# KiCad board SSRU_v3.3.kicad_pcb (continued)
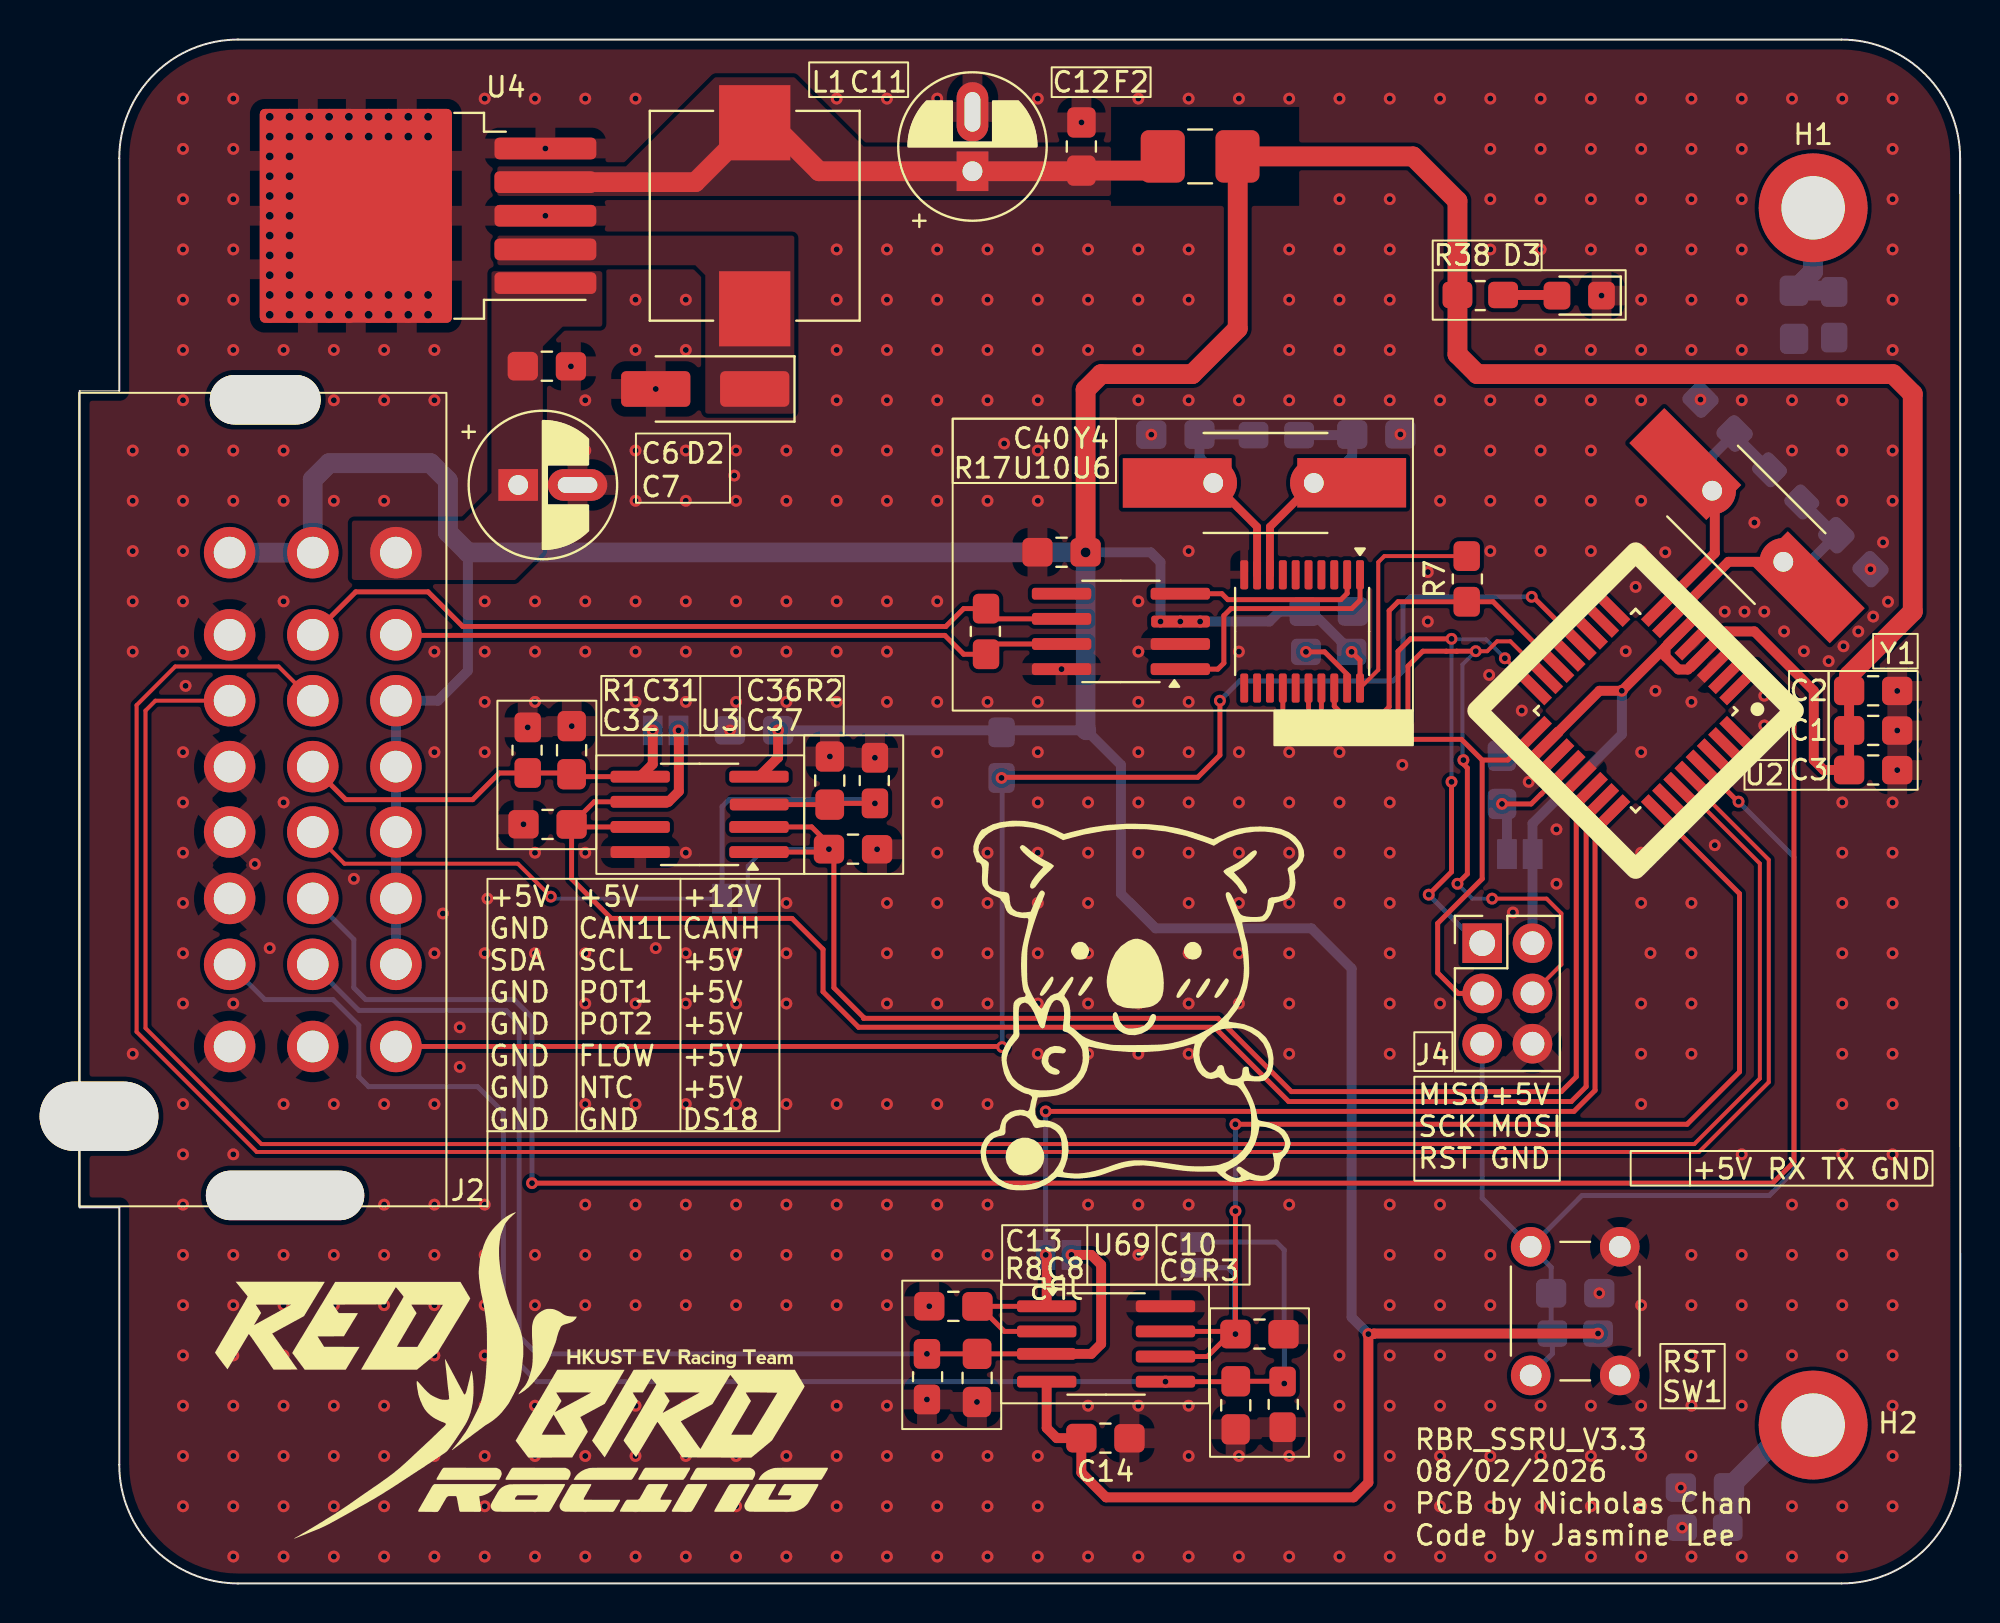
[diagram p0: board, top side]
## Library data of the parts
C1-C4 C6-C14 C23 C31 C32 C36 C37 C39 C40 = -: Description: Unpolarized capacitor; ki_fp_filters: C_*
C5 C17 C18 C24 C26 C27 C29 = -: ki_fp_filters: C_*
D2 = -: Description: Zener diode; ki_fp_filters: TO-???* *_Diode_* *SingleDiode* D_*
D3 = -: Description: Light emitting diode; ki_fp_filters: LED* LED_SMD:* LED_THT:*
F2 = -: ki_fp_filters: *Fuse*
H1 H2 = -: Description: Mounting Hole with connection; ki_fp_filters: MountingHole*Pad*
J2 = -: Description: Generic connector, single row, 01x24, script generated (kicad-library-utils/schlib/autogen/connector/); ki_fp_filters: Connector*:*_1x??_*
J4 = -: Description: Atmel 6-pin ISP connector; ki_fp_filters: IDC?Header*2x03* Pin?Header*2x03*
JP1-JP5 = -: Description: Jumper, 2-pole, open; ki_fp_filters: Jumper* TestPoint*2Pads* TestPoint*Bridge*
L1 = -: Description: Inductor; ki_fp_filters: Choke_* *Coil* Inductor_* L_*
R1-R3 R8 R16 R17 R38 R40 = -: Description: Resistor; ki_fp_filters: R_*
R4 R5 R7 R9 R10 R15 = -: ki_fp_filters: R_*
U2 = -: Datasheet: http://ww1.microchip.com/downloads/en/DeviceDoc/ATmega328_P%20AVR%20MCU%20with%20picoPower%20Technology%20Data%20Sheet%2040001984A.pdf; Description: 20MHz, 32kB Flash, 2kB SRAM, 1kB EEPROM, TQFP-32; ki_fp_filters: TQFP*7x7mm*P0.8mm*
U3 U69 = -: Datasheet: http://www.ti.com/lit/ds/symlink/lm358.pdf; Description: Dual Operational Amplifiers, DIP-8/SOIC-8/TSSOP-8/VSSOP-8; ki_fp_filters: SOIC*3.9x4.9mm*P1.27mm* DIP*W7.62mm* TO*99* OnSemi*Micro8* TSSOP*3x3mm*P0.65mm* TSSOP*4.4x3mm*P0.65mm* MSOP*3x3mm*P0.65mm* SSOP*3.9x4.9mm*P0.635mm* LFCSP*2x2mm*P0.5mm* *SIP* SOIC*5.3x6.2mm*P1.27mm*
U4 = -: Datasheet: http://www.ti.com/lit/ds/symlink/lm2576.pdf; Description: 5V, 3A SIMPLE SWITCHER® Step-Down Voltage Regulator, TO-263; ki_fp_filters: TO?263*
U6 = -: Datasheet: http://ww1.microchip.com/downloads/en/DeviceDoc/21801e.pdf; Description: Stand-Alone CAN Controller with SPI Interface, TSSOP-20; ki_fp_filters: TSSOP*4.4x6.5mm*P0.65mm*
U10 = -: Datasheet: http://www.nxp.com/docs/en/data-sheet/TJA1051.pdf; Description: High-Speed CAN Transceiver, silent mode, SOIC-8; ki_fp_filters: SOIC*3.9x4.9mm*P1.27mm*
Y1 Y4 = -: Description: Two pin crystal; ki_fp_filters: Crystal*

## Footprints (pads in the part's own frame, mm; a bottom-side part is the same pattern mirrored in y, then rotated)
C_0805_2012Metric_Pad1.18x1.45mm_HandSolder_L
  rrect 1.531x1.436 smd: 1(-1.216,0.007)
  rrect 1.531x1.45 smd: 2(1.216,0)
CP_Radial_D6.3mm_P2.50mm_handsolder
  rect 2x1.6 hole 1: 1(0,0)
  oval 3x1.6 hole 2x0.8: 2(3,0)
Crystal_HC49-U_Vertical_W_SMD
  round 2.4 hole 1: 1(0,0) 2(5.08,0)
  rect 5.5x2.5 smd: 1(0,0) 2(4.9,0)
D_SMA_Handsoldering
  rrect 3.5x1.8 smd: 1(-2.5,0) 2(2.5,0)
Fuse_1210_3225Metric_Pad1.42x2.65mm_HandSolder
  rrect 2.225x2.65 smd: 1(-1.887,0) 2(1.887,0)
HD241_24pin
  oval 2.5x5.6 hole 2.5x5.6 unplated: (-20.2,-6.6)
  oval 3.5x6 hole 3.5x6 unplated: (16,-15)
  oval 2.5x8 hole 2.5x8 unplated: (20,-5.6)
  round 2.6 hole 1.6: 1(-12.475,0) 2(-8.325,0) 3(-4.995,0) 4(-1.665,0) 5(1.64,0) 6(4.995,0) 7(8.325,0) 8(12.475,0) 9(-12.475,-4.2) 10(-8.325,-4.2) 11(-4.995,-4.2) 12(-1.665,-4.2) 13(1.64,-4.2) 14(4.995,-4.2) 15(8.325,-4.2) 16(12.475,-4.2) 17(-12.475,-8.4) 18(-8.325,-8.4) 19(-4.995,-8.4) 20(-1.665,-8.4) 21(1.64,-8.4) 22(4.995,-8.4) 23(8.325,-8.4) 24(12.475,-8.4)
L_10.4x10.4_H4.8
  rect 3.8x3.6 smd: 1(-4.7,0) 2(4.7,0)
LED_0805_2012Metric_Pad1.45x1.40mm_HandSolder
  rrect 1.35x1.4 smd: 1(-1.125,0) 2(1.125,0)
MountingHole_3.2mm_M3_ISO14580_Pad
  round 5.5 hole 3.2: 1(0,0)
PinHeader_2x03_P2.54mm_Vertical
  rect 2x2 hole 1.3: 1(0,0)
  round 2 hole 1.2: 2(2.54,0) 3(0,-2.54) 4(2.54,-2.54) 5(0,-5.08) 6(2.54,-5.08)
R_0805_2012Metric_Pad1.20x1.40mm_HandSolder_L
  rrect 1.505x1.335 smd: 1(-1.153,0.033) 2(1.153,0.033)
SOIC-8_3.9x4.9mm_P1.27mm_RMC_Handsolder
  rrect 3x0.6 smd: 1(-3,1.905) 2(-3,0.635) 4(-3,-1.905) 5(3,-1.905) 6(3,-0.635) 7(3,0.635) 8(3,1.905)
  rrect 2.975x0.6 smd: 3(-3.013,-0.5)
SolderJumper-2_P1.3mm_Open_Pad1.0x1.5mm
  rect 1x1.5 smd: 1(-0.65,0) 2(0.65,0)
SW_PUSH_6mm_H5mm
  round 2 hole 1.1: 1(0,0) 1(6.5,0) 2(0,-4.5) 2(6.5,-4.5)
TO-263-5_TabPin3_Handsolder
  rrect 5.15x1.1 smd: 1(-7.925,3.4) 2(-7.925,1.7) 3(-7.925,0) 4(-7.925,-1.7) 5(-7.925,-3.4)
  rrect 4.55x5.25 smd: 3(-0.925,2.775) 3(-0.925,-2.775)
  rrect 9.7x10.8 smd: 3(1.65,0)
  rrect 4.85x5.4 smd: 3(4.075,2.7)
  rrect 4.85x5.25 smd: 3(4.075,-2.775)
TQFP-32_7x7mm_P0.8mm_L
  rect 2x0.55 smd: 1(-4.45,2.8) 2(-4.45,2) 3(-4.45,1.2) 4(-4.45,0.4) 5(-4.45,-0.4) 6(-4.45,-1.2) 7(-4.45,-2) 8(-4.45,-2.8) 17(4.45,-2.8) 18(4.45,-2) 19(4.45,-1.2) 21(4.45,0.4) 22(4.45,1.2) 23(4.45,2) 24(4.45,2.8)
  rect 0.55x2 smd: 9(-2.8,-4.45) 12(-0.4,-4.45) 13(0.4,-4.45) 14(1.2,-4.45) 15(2,-4.45) 16(2.8,-4.45) 25(2.8,4.45) 26(2,4.45) 27(1.2,4.45) 28(0.4,4.45) 29(-0.4,4.45) 30(-1.2,4.45) 31(-2,4.45) 32(-2.8,4.45)
  rect 0.525x2 smd: 10(-2.013,-4.45)
  rect 0.575x2 smd: 11(-1.188,-4.45)
  rect 2x0.525 smd: 20(4.45,-0.388)
TSSOP-20_4.4x6.5mm_P0.65mm
  rrect 1.475x0.4 smd: 1(-2.862,2.925) 2(-2.862,2.275) 3(-2.862,1.625) 4(-2.862,0.975) 5(-2.862,0.325) 6(-2.862,-0.325) 7(-2.862,-0.975) 8(-2.862,-1.625) 9(-2.862,-2.275) 10(-2.862,-2.925) 11(2.862,-2.925) 12(2.862,-2.275) 13(2.862,-1.625) 14(2.862,-0.975) 15(2.862,-0.325) 16(2.862,0.325) 17(2.862,0.975) 18(2.862,1.625) 19(2.862,2.275) 20(2.862,2.925)

## Nets
+5V: C1.2 C2.2 C3.2 C14.2 C23.2 C39.2 C40.1 F2.2 J2.3 J2.4 J2.5 J2.6 J2.7 J2.9 J2.17 J4.2 JP1.1 R5.2 R7.2 R16.2 R38.1 R40.1 U2.4 U2.6 U2.18 U3.4 U6.20 U10.3 U69.4
+12V: C6.2 C7.1 J2.1 U4.1
GND: C1.1 C2.1 C3.1 C4.1 C5.1 C6.1 C7.2 C8.1 C9.1 C10.1 C11.2 C12.1 C13.1 C14.1 C17.1 C18.1 C23.1 C24.1 C26.1 C27.1 C29.1 C31.1 C32.1 C36.1 C37.1 C39.1 C40.2 D2.2 D3.1 J2.16 J2.18 J2.20 J2.21 J2.22 J2.24 J4.6 R1.1 R2.1 R3.1 R8.1 R9.1 R10.1 SW1.1 U2.3 U2.5 U2.21 U3.8 U4.3 U4.5 U6.10 U10.2 U10.8 U69.8
GND1: C29.2 H1.1 R10.2
GND2: C24.2 H2.1 R9.2
328+: U2.30
328-: U2.31
CAN1+: J2.2 R17.2 U10.7
CAN1-: J2.10 R17.1 U10.6
CS_CAN1: R7.1 U2.14 U6.18
DICK_IN: C9.2 J2.23 JP4.1 R3.2 U69.5
DICK_OUT: C10.2 JP4.2 U2.25 U69.6 U69.7
DS18B20: J2.8 R40.2 U2.12
FLOW_IN: J2.14 U2.2
I2C+: J2.11 U2.28
I2C-: J2.19 U2.27
MISO: J4.1 U2.16 U6.17
MOSI: J4.4 U2.15 U6.16
POT1_IN: C31.2 J2.12 JP2.1 R1.2 U3.5
POT1_OUT: C32.2 JP2.2 U2.23 U3.6 U3.7
POT2_IN: C36.2 J2.13 JP3.1 R2.2 U3.3
POT2_OUT: C37.2 JP3.2 U2.22 U3.1 U3.2
PUMP_NTC_50k_IN: C8.2 J2.15 JP5.1 R8.2 U69.3
PUMP_NTC_50k_OUT: C13.2 JP5.2 U2.24 U69.1 U69.2
RST: C18.2 J4.5 R5.1 SW1.2 U2.29
SCK: J4.3 U2.17 U6.14
XTAL1: C5.2 R4.2 U2.7 Y1.2
XTAL2: C17.2 R4.1 U2.8 Y1.1
Net-(D2-K): D2.1 L1.1 U4.2
Net-(D3-A): D3.2 R38.2
Net-(JP1-B): C4.2 JP1.2 U2.20
Net-(U4-FB): C11.1 C12.2 F2.1 L1.2 U4.4
Net-(U6-OSC1): C27.2 R15.1 U6.9 Y4.2
Net-(U6-OSC2): C26.2 R15.2 U6.8 Y4.1
Net-(U6-~{RESET}): R16.1 U6.19
Net-(U10-RXD): U6.2 U10.4
Net-(U10-TXD): U6.1 U10.1

Pads without a net: U2 1 9 10 11 13 19 26 32; U6 3 4 5 6 7 11 12 13 15; U10 5

## Via types
v1: diameter 0.6, hole 0.3, Top to Bottom, 670 vias
v2: diameter 1, hole 0.5, Top to Bottom, 1 via
v3: diameter 0.8, hole 0.4, Top to Bottom, 50 vias

## Routing (per net, layer and track width the routed paths; a pad name or vN(x,y) marks a point on that pad's centre or on a via; arc(x,y) is an arc through that point)
+5V: length 344.7
  Top w0.2: U6.20 65.6,46.16 65.6,51.6 65.91,51.9 R7.2
  Top w0.25: U6.20 64.68,46.64 v1(64.25,47.07) ; v1(65.1,12.6) 65.13,12.63
  Top w0.5: U69.4 48.85,7.85 49.36,7.34 C14.2 50.6,5.6 51.85,4.35 64.35,4.35 65.1,5.1 v1(65.1,12.6) 65.35,12.6 65.38,12.63 v1(76.7,12.63) ; U3.4 35.28,41.73 v1(35.28,43.1) ; U2.18 76.77,45.1 v1(77.9,45.1) U2.6 80.11,47.31 80.11,46.83 80.76,46.17 81.24,46.17 U2.4 83.17,48.1 84.6,48.1 87.6,45.1 87.6,41.6 88.1,41.1 C3.2 C1.2 C2.2
  Top w1: C2.2 89.38,45.88 92.6,49.1 92.6,60.1 91.6,61.1 70.6,61.1 69.6,62.1 69.6,69.85 67.35,72.1 F2.2 58.49,70.99 58.5,70.97 58.5,63.4 56.2,61.1 51.6,61.1 50.82,60.31 v2(50.82,52.09)
  Bottom w0.5: 19.61,52.09 19.61,46.1 18.1,44.6 J2.3 J2.7 ; v2(50.82,52.09) 54.11,52.09 54.6,51.6 v1(54.6,48.6) v1(55.6,48.6) v1(56.6,48.6) 60.1,48.6 60.6,49.1 C39.2 62.22,49.1 v1(64.25,47.07) ; J4.2 73.39,38.39 77.9,42.9 v1(77.9,45.1) ; v1(35.28,43.1) 50.85,43.1 52.6,41.35 52.6,34.85 54.35,33.1 62.22,33.1 64.25,31.07 64.25,13.45 v1(65.1,12.6)
  Bottom w1: 50.85,43.1 50.82,43.14 v2(50.82,52.09) 19.61,52.09 18.6,53.1 18.6,55.72 17.72,56.6 12.6,56.6 11.77,55.77 J2.9 J2.17
GND: length 0.7
  Top w0.25: 22.35,37.85 22.85,38.35
  vias: v1(2.68,57.24) v1(2.68,54.7) v1(2.68,52.16) v1(2.68,49.62) v1(2.68,47.08) v1(2.68,26.76) v1(5.22,75.02) v1(5.22,72.48) v1(5.22,69.94) v1(5.22,67.4) v1(5.22,64.86) v1(5.22,62.32) v1(5.22,59.78) v1(5.22,57.24) v1(5.22,54.7) v1(5.22,52.16) v1(5.22,49.62) v1(5.22,47.08) v1(5.22,42) v1(5.22,39.46) v1(5.22,36.92) v1(5.22,34.38) v1(5.22,31.84) v1(5.22,29.3) v1(5.22,24.22) v1(5.22,21.68) v1(5.22,19.14) v1(5.22,16.6) v1(5.22,14.06) v1(5.22,11.52) v1(5.22,8.98) v1(5.22,6.44) v1(5.22,3.9) v1(5.35,45.35) v1(7.76,75.02) v1(7.76,72.48) v1(7.76,69.94) v1(7.76,67.4) v1(7.76,64.86) v1(7.76,62.32) v1(7.76,57.24) v1(7.76,54.7) v1(7.76,29.3) v1(7.76,21.68) v1(7.76,16.6) v1(7.76,14.06) v1(7.76,11.52) v1(7.76,8.98) v1(7.76,6.44) v1(7.76,3.9) v1(7.76,1.36) v1(8.85,36.35) v1(9.6,32.1) v1(10.3,62.32) v1(10.3,57.24) v1(10.3,54.7) v1(10.3,49.62) v1(10.3,39.46) v1(10.3,24.22) v1(10.3,16.6) v1(10.3,14.06) v1(10.3,11.52) v1(10.3,8.98) v1(10.3,6.44) v1(10.3,3.9) v1(10.3,1.36) v1(12.84,62.32) v1(12.84,59.78) v1(12.84,54.7) v1(12.84,24.22) v1(12.84,16.6) v1(12.84,14.06) v1(12.84,11.52) v1(12.84,8.98) v1(12.84,6.44) v1(12.84,3.9) v1(12.84,1.36) v1(13.85,35.6) v1(15.38,62.32) v1(15.38,59.78) v1(15.38,54.7) v1(15.38,24.22) v1(15.38,19.14) v1(15.38,16.6) v1(15.38,14.06) v1(15.38,11.52) v1(15.38,8.98) v1(15.38,6.44) v1(15.38,3.9) v1(15.38,1.36) v1(17.92,62.32) v1(17.92,59.78) v1(17.92,47.08) v1(17.92,42) v1(17.92,31.84) v1(17.92,24.22) v1(17.92,19.14) v1(17.92,16.6) v1(17.92,14.06) v1(17.92,11.52) v1(17.92,8.98) v1(17.92,6.44) v1(17.92,3.9) v1(17.92,1.36) v1(18.35,33.85) v1(19.2,28.1) v1(19.2,26.1) v1(20.46,75.02) v1(20.46,49.62) v1(20.46,47.08) v1(20.46,44.54) v1(20.46,42) v1(20.46,31.84) v1(20.46,19.14) v1(20.46,16.6) v1(20.46,14.06) v1(20.46,11.52) v1(20.46,8.98) v1(20.46,6.44) v1(20.46,3.9) v1(20.46,1.36) v1(20.6,34.6) v1(22.42,38.35) v1(22.63,43.25) v1(23,75.02) v1(23,49.62) v1(23,47.08) v1(23,44.54) v1(23,36.92) v1(23,31.84) v1(23,16.6) v1(23,14.06) v1(23,8.98) v1(23,6.44) v1(23,3.9) v1(23,1.36) v1(23.52,72.5) v1(23.52,69.1) v1(24.82,61.49) v1(24.86,43.31) v1(25.54,75.02) v1(25.54,59.78) v1(25.54,57.24) v1(25.54,49.62) v1(25.54,47.08) v1(25.54,36.92) v1(25.54,31.84) v1(25.54,29.3) v1(25.54,24.22) v1(25.54,19.14) v1(25.54,16.6) v1(25.54,14.06) v1(25.54,8.98) v1(25.54,6.44) v1(25.54,3.9) v1(25.54,1.36) v1(28.08,75.02) v1(28.08,64.86) v1(28.08,62.32) v1(28.08,57.24) v1(28.08,54.7) v1(28.08,49.62) v1(28.08,47.08) v1(28.08,44.54) v1(28.08,29.3) v1(28.08,24.22) v1(28.08,19.14) v1(28.08,16.6) v1(28.08,14.06) v1(28.08,8.98) v1(28.08,6.44) v1(28.08,3.9) v1(28.08,1.36) v1(29.1,60.35) v1(29.1,32.1) v1(30.62,64.86) v1(30.62,62.32) v1(30.62,57.24) v1(30.62,54.7) v1(30.62,49.62) v1(30.62,47.08) v1(30.62,44.54) v1(30.62,36.92) v1(30.62,31.84) v1(30.62,29.3) v1(30.62,24.22) v1(30.62,19.14) v1(30.62,16.6) v1(30.62,14.06) v1(30.62,8.98) v1(30.62,6.44) v1(30.62,3.9) v1(30.62,1.36) v1(32.85,43.1) v1(33.07,55.97) v1(33.16,57.24) v1(33.16,54.7) v1(33.16,49.62) v1(33.16,47.08) v1(33.16,44.54) v1(33.16,31.84) v1(33.16,29.3) v1(33.16,24.22) v1(33.16,19.14) v1(33.16,16.6) v1(33.16,14.06) v1(33.16,8.98) v1(33.16,6.44) v1(33.16,3.9) v1(33.16,1.36) v1(35.7,57.24) v1(35.7,54.7) v1(35.7,49.62) v1(35.7,47.08) v1(35.7,44.54) v1(35.7,34.38) v1(35.7,31.84) v1(35.7,29.3) v1(35.7,24.22) v1(35.7,19.14) v1(35.7,16.6) v1(35.7,14.06) v1(35.7,8.98) v1(35.7,6.44) v1(35.7,3.9) v1(35.7,1.36) v1(37.9,41.78) v1(38.24,75.02) v1(38.24,67.4) v1(38.24,64.86) v1(38.24,62.32) v1(38.24,59.78) v1(38.24,57.24) v1(38.24,54.7) v1(38.24,49.62) v1(38.24,47.08) v1(38.24,44.54) v1(38.24,24.22) v1(38.24,19.14) v1(38.24,16.6) v1(38.24,14.06) v1(38.24,8.98) v1(38.24,6.44) v1(38.24,3.9) v1(38.24,1.36) v1(40.17,41.72) v1(40.28,37.09) v1(40.78,75.02) v1(40.78,67.4) v1(40.78,64.86) v1(40.78,62.32) v1(40.78,59.78) v1(40.78,57.24) v1(40.78,54.7) v1(40.78,49.62) v1(40.78,47.08) v1(40.78,44.54) v1(40.78,34.38) v1(40.78,31.84) v1(40.78,29.3) v1(40.78,24.22) v1(40.78,19.14) v1(40.78,16.6) v1(40.78,14.06) v1(40.78,8.98) v1(40.78,6.44) v1(40.78,3.9) v1(40.78,1.36) v1(42.8,9.29) v1(42.92,14) v1(43.32,75.02) v1(43.32,67.4) v1(43.32,64.86) v1(43.32,62.32) v1(43.32,59.78) v1(43.32,57.24) v1(43.32,54.7) v1(43.32,49.62) v1(43.32,44.54) v1(43.32,42) v1(43.32,39.46) v1(43.32,36.92) v1(43.32,34.38) v1(43.32,31.84) v1(43.32,29.3) v1(43.32,24.22) v1(43.32,19.14) v1(43.32,16.6) v1(43.32,6.44) v1(43.32,3.9) v1(43.32,1.36) v1(45.33,9.17) v1(45.86,67.4) v1(45.86,64.86) v1(45.86,62.32) v1(45.86,59.78) v1(45.86,54.7) v1(45.86,44.54) v1(45.86,36.92) v1(45.86,34.38) v1(45.86,31.84) v1(45.86,29.3) v1(45.86,24.22) v1(45.86,19.14) v1(45.86,16.6) v1(45.86,6.44) v1(45.86,3.9) v1(45.86,1.36) v1(46.7,57.59) v1(48.4,75.02) v1(48.4,67.4) v1(48.4,64.86) v1(48.4,62.32) v1(48.4,59.78) v1(48.4,57.24) v1(48.4,54.7) v1(48.4,44.54) v1(48.4,42) v1(48.4,39.46) v1(48.4,36.92) v1(48.4,34.38) v1(48.4,31.84) v1(48.4,29.3) v1(48.4,26.76) v1(48.4,6.44) v1(48.4,3.9) v1(48.4,1.36) v1(49.6,46.19) v1(50.61,73.81) v1(50.94,67.4) v1(50.94,64.86) v1(50.94,62.32) v1(50.94,39.46) v1(50.94,36.92) v1(50.94,34.38) v1(50.94,31.84) v1(50.94,29.3) v1(50.94,26.76) v1(50.94,19.14) v1(50.94,8.98) v1(50.94,1.36) v1(53.48,75.02) v1(53.48,67.4) v1(53.48,64.86) v1(53.48,62.32) v1(53.48,59.78) v1(53.48,49.62) v1(53.48,47.08) v1(53.48,44.54) v1(53.48,42) v1(53.48,39.46) v1(53.48,36.92) v1(53.48,31.84) v1(53.48,29.3) v1(53.48,26.76) v1(53.48,19.14) v1(53.48,16.6) v1(53.48,8.98) v1(53.48,1.36) v1(54.13,58.04) v1(56.02,75.02) v1(56.02,67.4) v1(56.02,64.86) v1(56.02,59.78) v1(56.02,52.16) v1(56.02,44.54) v1(56.02,42) v1(56.02,39.46) v1(56.02,36.92) v1(56.02,34.38) v1(56.02,31.84) v1(56.02,29.3) v1(56.02,26.76) v1(56.02,19.14) v1(56.02,8.98) v1(56.02,6.44) v1(56.02,1.36) v1(58.56,75.02) v1(58.56,59.78) v1(58.56,47.08) v1(58.56,42) v1(58.56,39.46) v1(58.56,36.92) v1(58.56,34.38) v1(58.56,31.84) v1(58.56,29.3) v1(58.56,6.44) v1(58.56,1.36) v1(61.1,75.02) v1(61.1,67.4) v1(61.1,64.86) v1(61.1,62.32) v1(61.1,59.78) v1(61.1,42) v1(61.1,39.46) v1(61.1,36.92) v1(61.1,34.38) v1(61.1,31.84) v1(61.1,29.3) v1(61.1,26.76) v1(61.1,19.14) v1(61.1,6.44) v1(61.1,1.36) v1(63.64,75.02) v1(63.64,69.94) v1(63.64,67.4) v1(63.64,64.86) v1(63.64,62.32) v1(63.64,59.78) v1(63.64,42) v1(63.64,39.46) v1(63.64,36.92) v1(63.64,34.38) v1(63.64,11.52) v1(63.64,8.98) v1(63.64,6.44) v1(63.64,1.36) v1(66.18,75.02) v1(66.18,69.94) v1(66.18,67.4) v1(66.18,64.86) v1(66.18,62.32) v1(66.18,59.78) v1(66.18,39.46) v1(66.18,36.92) v1(66.18,34.38) v1(66.18,31.84) v1(66.18,29.3) v1(66.18,26.76) v1(66.18,19.14) v1(66.18,16.6) v1(66.18,14.06) v1(66.18,11.52) v1(66.18,8.98) v1(66.18,6.44) v1(66.18,3.9) v1(66.18,1.36) v1(66.72,58.05) v1(66.82,41.36) v1(68.1,51.1) v1(68.1,48.6) v1(68.72,75.02) v1(68.72,59.78) v1(68.72,57.24) v1(68.72,54.7) v1(68.72,29.3) v1(68.72,26.76) v1(68.72,19.14) v1(68.72,16.6) v1(68.72,14.06) v1(68.72,11.52) v1(68.72,8.98) v1(68.72,6.44) v1(68.72,3.9) v1(68.72,1.36) v1(71.2,45.9) v1(71.26,75.02) v1(71.26,72.48) v1(71.26,69.94) v1(71.26,67.4) v1(71.26,59.78) v1(71.26,57.24) v1(71.26,54.7) v1(71.26,52.16) v1(71.26,44.54) v1(71.26,16.6) v1(71.26,14.06) v1(71.26,11.52) v1(71.26,8.98) v1(71.26,6.44) v1(71.26,3.9) v1(71.26,1.36) v1(72.4,33.9) v1(72.85,44.1) v1(73.2,40.5) v1(73.8,75.02) v1(73.8,72.48) v1(73.8,69.94) v1(73.8,67.4) v1(73.8,62.32) v1(73.8,59.78) v1(73.8,57.24) v1(73.8,54.7) v1(73.8,52.16) v1(73.8,8.98) v1(73.8,6.44) v1(73.8,3.9) v1(73.8,1.36) v1(74.6,38.1) v1(74.6,35.35) v1(76.34,75.02) v1(76.34,72.48) v1(76.34,69.94) v1(76.34,67.4) v1(76.34,62.32) v1(76.34,59.78) v1(76.34,57.24) v1(76.34,54.7) v1(76.34,52.16) v1(76.34,8.98) v1(76.34,6.44) v1(76.34,3.9) v1(76.34,1.36) v1(76.76,14.66) v1(76.88,65.07) v1(78.1,47.1) v1(78.6,50.35) v1(78.88,75.02) v1(78.88,72.48) v1(78.88,69.94) v1(78.88,67.4) v1(78.88,64.86) v1(78.88,62.32) v1(78.88,59.78) v1(78.88,54.7) v1(78.88,52.16) v1(78.88,42) v1(78.88,36.92) v1(78.88,34.38) v1(78.88,29.3) v1(78.88,26.76) v1(78.88,24.22) v1(78.88,14.06) v1(78.88,8.98) v1(78.88,6.44) v1(78.88,3.9) v1(78.88,1.36) v1(79.35,31.85) v1(79.6,45.1) v1(80.1,52.1) v1(80.88,4.84) v1(80.95,2.82) v1(81.42,75.02) v1(81.42,72.48) v1(81.42,69.94) v1(81.42,67.4) v1(81.42,64.86) v1(81.42,62.32) v1(81.42,44.54) v1(81.42,34.38) v1(81.42,31.84) v1(81.42,29.3) v1(81.42,26.76) v1(81.42,16.6) v1(81.42,14.06) v1(81.42,11.52) v1(81.42,8.98) v1(81.42,6.44) v1(81.42,1.36) v1(81.88,59.81) v1(82.6,37.3) v1(83.1,49.1) v1(83.96,75.02) v1(83.96,72.48) v1(83.96,69.94) v1(83.96,67.4) v1(83.96,64.86) v1(83.96,62.32) v1(83.96,59.78) v1(83.96,21.68) v1(83.96,16.6) v1(83.96,14.06) v1(83.96,11.52) v1(83.96,8.98) v1(83.96,1.36) v1(84.1,49.1) v1(84.6,53.6) v1(85.1,49.1) v1(85.1,44.85) v1(85.1,43.35) v1(86.1,48.1) v1(86.5,75.02) v1(86.5,59.78) v1(86.5,57.24) v1(86.5,19.14) v1(86.5,16.6) v1(86.5,14.06) v1(86.5,11.52) v1(86.5,3.9) v1(86.5,1.36) v1(87.1,47.1) v1(88.35,46.6) v1(89.04,75.02) v1(89.04,59.78) v1(89.04,57.24) v1(89.04,54.7) v1(89.04,39.46) v1(89.04,36.92) v1(89.04,34.38) v1(89.04,31.84) v1(89.04,29.3) v1(89.04,26.76) v1(89.04,24.22) v1(89.04,21.68) v1(89.04,19.14) v1(89.04,16.6) v1(89.04,14.06) v1(89.04,11.52) v1(89.04,3.9) v1(89.04,1.36) v1(89.1,47.35) v1(89.85,48.1) v1(90.46,51.24) v1(90.6,48.85) v1(91.1,52.6) v1(91.35,49.6) v1(91.58,75.02) v1(91.58,72.48) v1(91.58,69.94) v1(91.58,67.4) v1(91.58,64.86) v1(91.58,62.32) v1(91.58,57.24) v1(91.58,54.7) v1(91.58,39.46) v1(91.58,36.92) v1(91.58,34.38) v1(91.58,31.84) v1(91.58,29.3) v1(91.58,26.76) v1(91.58,24.22) v1(91.58,21.68) v1(91.58,19.14) v1(91.58,16.6) v1(91.58,14.06) v1(91.58,11.52) v1(91.58,8.98) v1(91.58,6.44) v1(91.58,3.9) v1(91.82,45.09) v1(91.82,43.09) v1(91.82,41.09) v3(9.6,74.1) v3(9.6,73.1) v3(9.6,72.1) v3(9.6,71.1) v3(9.6,70.1) v3(9.6,69.1) v3(9.6,68.1) v3(9.6,67.1) v3(9.6,66.1) v3(9.6,65.1) v3(9.6,64.1) v3(10.6,74.1) v3(10.6,73.1) v3(10.6,72.1) v3(10.6,71.1) v3(10.6,70.1) v3(10.6,69.1) v3(10.6,68.1) v3(10.6,67.1) v3(10.6,66.1) v3(10.6,65.1) v3(10.6,64.1) v3(11.6,74.1) v3(11.6,73.1) v3(11.6,65.1) v3(11.6,64.1) v3(12.6,74.1) v3(12.6,73.1) v3(12.6,65.1) v3(12.6,64.1) v3(13.6,74.1) v3(13.6,73.1) v3(13.6,65.1) v3(13.6,64.1) v3(14.6,74.1) v3(14.6,73.1) v3(14.6,65.1) v3(14.6,64.1) v3(15.6,74.1) v3(15.6,73.1) v3(15.6,65.1) v3(15.6,64.1) v3(16.6,74.1) v3(16.6,73.1) v3(16.6,65.1) v3(16.6,64.1) v3(17.6,74.1) v3(17.6,73.1) v3(17.6,65.1) v3(17.6,64.1)
GND1: length 6.6
  Bottom w1: R10.2 88.57,65.31 C29.2 87.57,66.28 H1.1
GND2: length 7.7
  Bottom w1: H2.1 87.47,8.1 86.57,8.1 C24.2 83.32,2.88 R9.2
CAN1+: length 34.2
  Top w0.25: J2.2 16.01,47.9 43.7,47.9 44.66,46.95 R17.2 46.3,47.46 U10.7
CAN1-: length 40
  Top w0.25: U10.6 46.3,48.73 R17.1 44.66,49.25 43.75,48.35 19.35,48.35 17.6,50.1 13.94,50.1 J2.10
CS_CAN1: length 18.7
  Top w0.25: U2.14 71.4,49.6 66.6,49.6 66.15,49.15 66.15,44.28 65.91,44.05 63.65,44.05 63.38,44.32 U6.18
DICK_IN: length 81.9
  Top w0.25: R3.2 60.75,10.21 C9.2 58.38,10.19 v1(54.85,10.19)
  Top w0.5: C9.2 58.38,10.21
  Bottom w0.25: JP4.1 60.45,17.25 60.85,16.85 v1(60.85,10.1) ; v1(54.85,10.19) 23.1,10.19 21.4,11.9 21.4,23.8 20.1,25.1 14.6,25.1 14.1,25.6 14.1,28.2 12.8,29.5 9.35,29.5 J2.23
DICK_OUT: length 64.7
  Top w0.25: U2.25 79.77,38.93 83.85,34.85 83.85,25.85 81.2,23.2 v1(58.38,23.2) ; U69.7 58.05,12.73 58.38,12.4 57.9,12.4 56.97,11.46 U69.6 ; v1(58.38,18.81) v1(58.38,12.6)
  Bottom w0.25: JP4.2 58,15.95 58.35,15.6 58.35,12.63 v1(58.38,12.6) ; v1(58.38,23.2) v1(58.38,18.81)
DS18B20: length 81.8
  Top w0.25: v1(46.6,27.1) 46.57,27.13 J2.8 ; U2.12 73.42,49.85 v1(73.35,49.85) ; v1(46.57,40.7) 46.6,40.73 56.48,40.73 57.6,41.85 v1(57.6,44.6)
  Bottom w0.25: v1(57.6,44.6) 58.6,45.6 66.35,45.6 66.85,46.1 66.85,49.47 67.22,49.85 v1(73.35,49.85) ; v1(46.6,27.1) 46.6,40.66 v1(46.57,40.7)
FLOW_IN: length 115.4
  Top w0.25: v1(22.85,20.22) 85.53,20.22 86.6,21.3 86.6,44.6 84.71,46.49 83.82,46.49 U2.2
  Bottom w0.25: v1(22.85,20.22) 22.85,28.6 21.95,29.5 14.45,29.5 13.85,30.1 13.85,32.53 J2.14
I2C+: length 130.3
  Top w0.2: U2.28 82.42,39.71 82.42,39.46 85.32,36.56 85.32,25.32 81.8,21.8 8.95,21.8 2.88,27.87 2.88,44.37 4.83,46.33 10.05,46.33 J2.11
I2C-: length 122.2
  Top w0.2: J2.19 3.82,44.6 3.32,44.1 3.32,28.05 9.18,22.2 81.56,22.2 84.88,25.51 84.88,36.37 82.1,39.15 81.85,39.15 U2.27
MISO: length 33.7
  Top w0.2: v1(72,46.74) U2.16
  Top w0.25: v1(69.3,40.5) 69.3,35.95 v1(68.15,34.8) ; U6.17 62.73,43.97 63.1,43.6 66.1,43.6 66.6,44.1 66.6,47.1 67.22,47.72 v1(69.3,47.72)
  Bottom w0.2: v1(69.3,40.5) 69.3,47.7 71.04,47.7 v1(72,46.74)
  Bottom w0.25: v1(68.15,34.8) 70.6,32.35 J4.1
MOSI: length 40.9
  Top w0.2: U2.15 72.27,47.6 71.6,47.6 71.1,47.1 v1(70.52,47.1) ; J4.4 74.85,31.27 74.85,33.85 74.1,34.6 v1(71.35,34.6)
  Top w0.25: v1(70.52,47.1) 69.56,47.1 67.85,47.1 67.1,46.35 67.1,43.6 66.6,43.1 62.6,43.1 62.08,43.62 U6.16 ; v1(69.9,41.6) 69.9,41.4 70.1,41.2 70.1,35.85 v1(69.6,35.35)
  Bottom w0.2: v1(70.52,47.1) 69.85,46.42 69.85,41.65 v1(69.9,41.6) ; v1(69.6,35.35) 70.35,34.6 v1(71.35,34.6)
POT1_IN: length 20.5
  Top w0.25: J2.12 13.44,39.6 19.85,39.6 21.2,40.95 R1.2 24.79,40.95 C31.2 24.97,40.76 U3.5
  Top w0.5: U3.5 28.95,41.39 v1(28.95,43.1)
POT1_OUT: length 87.7
  Top w0.25: U2.23 76.1,38.77 76.1,25.1 75.35,24.35 61.07,24.35 57.32,28.1 39.35,28.1 37.55,29.9 37.55,32.03 35.99,33.6 26.85,33.6 24.85,35.6 C32.2 ; C32.2 25.99,39.49 U3.6 ; C32.2 24.98,38.22 U3.7
  Top w0.5: v1(30.25,43.1) 30.27,43.08 30.27,40.01 29.74,39.49 U3.6
POT2_IN: length 40.5
  Top w0.2: J2.13 13.38,36.36 22.14,36.36 v1(23.8,34.7)
  Top w0.25: v1(40.17,39.41) 37.95,39.41 C36.2 34.34,39.35 U3.3
  Bottom w0.2: v1(23.8,34.7) 23.9,34.6 JP3.1
  Bottom w0.25: v1(40.17,39.41) 39.99,39.6 32.8,39.6 32.45,39.25 JP3.1
POT2_OUT: length 75.8
  Top w0.25: v1(37.85,37.1) 37.7,36.95 U3.1 ; v1(37.85,37.1) 37.85,37.35 36.98,38.22 U3.2 ; v1(37.85,37.1) 38.1,36.85 38.1,30.1 39.6,28.6 39.6,28.55 57.51,28.55 61.21,24.85 74.85,24.85 75.6,25.6 75.6,39.4 U2.22
  Bottom w0.2: v1(37.85,37.1) 34.6,37.1 33.75,36.25 JP3.2
PUMP_NTC_50k_IN: length 63.1
  Top w0.25: v1(42.8,11.6) C8.2 U69.3
  Top w0.5: v1(50.1,16.6) 51.1,16.6 51.6,16.1 51.6,12.1 51.1,11.6 U69.3
  Bottom w0.25: v1(42.8,11.6) 23.1,11.6 22.2,12.5 22.2,28.3 21.54,28.95 14.1,28.95 J2.15
PUMP_NTC_50k_OUT: length 60.1
  Top w0.25: U69.1 48.84,14 C13.2 45.45,14 46.72,12.73 U69.2 ; v1(48.8,23.85) 75.49,23.85 76.55,24.91 76.55,38.09 U2.24 ; v1(48.8,16.6) 48.85,16.6
  Top w0.5: U69.1 48.85,16.55 v1(48.8,16.6)
  Bottom w0.25: v1(48.8,23.85) v1(48.8,16.6)
RST: length 55.9
  Top w0.25: U2.29 83.77,39.5 v1(83.8,39.5)
  Bottom w0.25: SW1.2 74.4,11.61 R5.1 74.33,12.69 C18.2 74.33,15.97 SW1.2 ; SW1.2 70.85,19.46 J4.5 ; SW1.2 75.89,19.6 85.35,19.6 86.6,20.85 86.6,36.7 v1(83.8,39.5)
SCK: length 30.3
  Top w0.25: 70.85,41.6 70.85,35.6 68.6,33.35 68.6,30.85 69.64,29.81 J4.3 ; 70.85,41.6 72.14,41.6 U2.17 ; 70.85,41.6 69.8,42.65 61.3,42.65 60.78,43.17 U6.14
XTAL1: length 12.6
  Top w0.5: U2.7 83.29,51.62 Y1.2
  Bottom w0.5: Y1.2 87.4,51.62 C5.2 88.72,52.96 87.04,54.64 R4.2
XTAL2: length 13.1
  Top w0.5: U2.8 82.6,52.06 82.6,55.08 Y1.1
  Bottom w0.5: Y1.1 82.47,56.97 C17.2 83.6,58.03 R4.1
Net-(D3-A): length 2.7
  Top w0.5: R38.2 74.59,65.1
Net-(JP1-B): length 6.2
  Top w0.25: v1(71.85,39.38) 73.32,39.38 73.82,39.88 73.83,39.88 U2.20
  Bottom w0.5: 72.1,37.35 72.1,39.13 v1(71.85,39.38)
Net-(U4-FB): length 33.8
  Top w1: U4.4 31.1,70.8 L1.2 34.9,73.8 37.35,71.35 C11.1 50.57,71.35 C12.2 54,71.38 F2.1
Net-(U6-OSC1): length 11.3
  Top w0.4: Y4.2 59.48,53.38 U6.9
  Bottom w0.5: R15.1 59.26,58.05 C27.2 56.57,56.9 57.86,55.6
Net-(U6-OSC2): length 11.3
  Top w0.4: Y4.1 60.13,53.38 U6.8
  Bottom w0.5: 62.94,55.6 64.28,56.94 C26.2 64.25,58.01 R15.2
Net-(U6-~{RESET}): length 3.2
  Top w0.25: v1(61.95,47.07) 62.89,47.07 64.03,45.93 U6.19
Net-(U10-RXD): length 9.7
  Top w0.25: 64.03,51.01 64.03,50.02 63.71,49.7 58,49.7 57.7,50 U10.4
Net-(U10-TXD): length 13.3
  Top w0.25: U10.1 57.5,46.19 57.8,46.5 57.8,48.9 58.15,49.25 64.25,49.25 64.68,49.68 64.68,51.01

## Copper pours and planes (outline as drawn; the poured copper is in the pictures)
+12V on Top: 20.8,66.3 20.8,55.1 19.4,53.7 13.75,53.7 13.75,50.7 22,50.7 23.4,52.1 23.4,62.5 24.4,63.5 26.4,63.5 26.4,66.3
GND on Top, Bottom: -2.4,80.1 -2.4,-4.9 102.6,-4.9 102.6,80.1
Net-(D2-K) on Top: 21.1,66.6 21.1,68.1 36.1,68.1 36.1,59.1 31.6,59.1 31.6,66.1 31.1,66.6
Net-(U4-FB) on Top: 21.1,71.6 21.1,70.1 52.1,70.1 52.1,72.6 39.6,72.6 36.1,76.1 32.1,76.1 27.6,71.6

## Text on the board
F.Silkscreen: +5V / GND / SDA / GND / GND / GND / GND / GND | +5V / CAN1L / SCL / POT1 / POT2 / FLOW / NTC / GND | +12V / CANH / +5V / +5V / +5V / +5V / +5V / DS18 | RBR_SSRU_V3.3 / 08/02/2026 / PCB by Nicholas Chan / Code by Jasmine Lee | MISO / SCK / RST | +5V / MOSI / GND | RST | +5V RX TX GND
